# Altium PCB Matrix.PcbDoc (part 1 of 3)
Units mm, origin at the board's own origin, x right, y up, seen from the top; angles counter-clockwise.
Board outline 200.1 x 201 mm, 2 copper layers (Top Layer, Bottom Layer), stack 1.55 mm thick; 304 components, 213 nets, 909 pads, 444 vias.
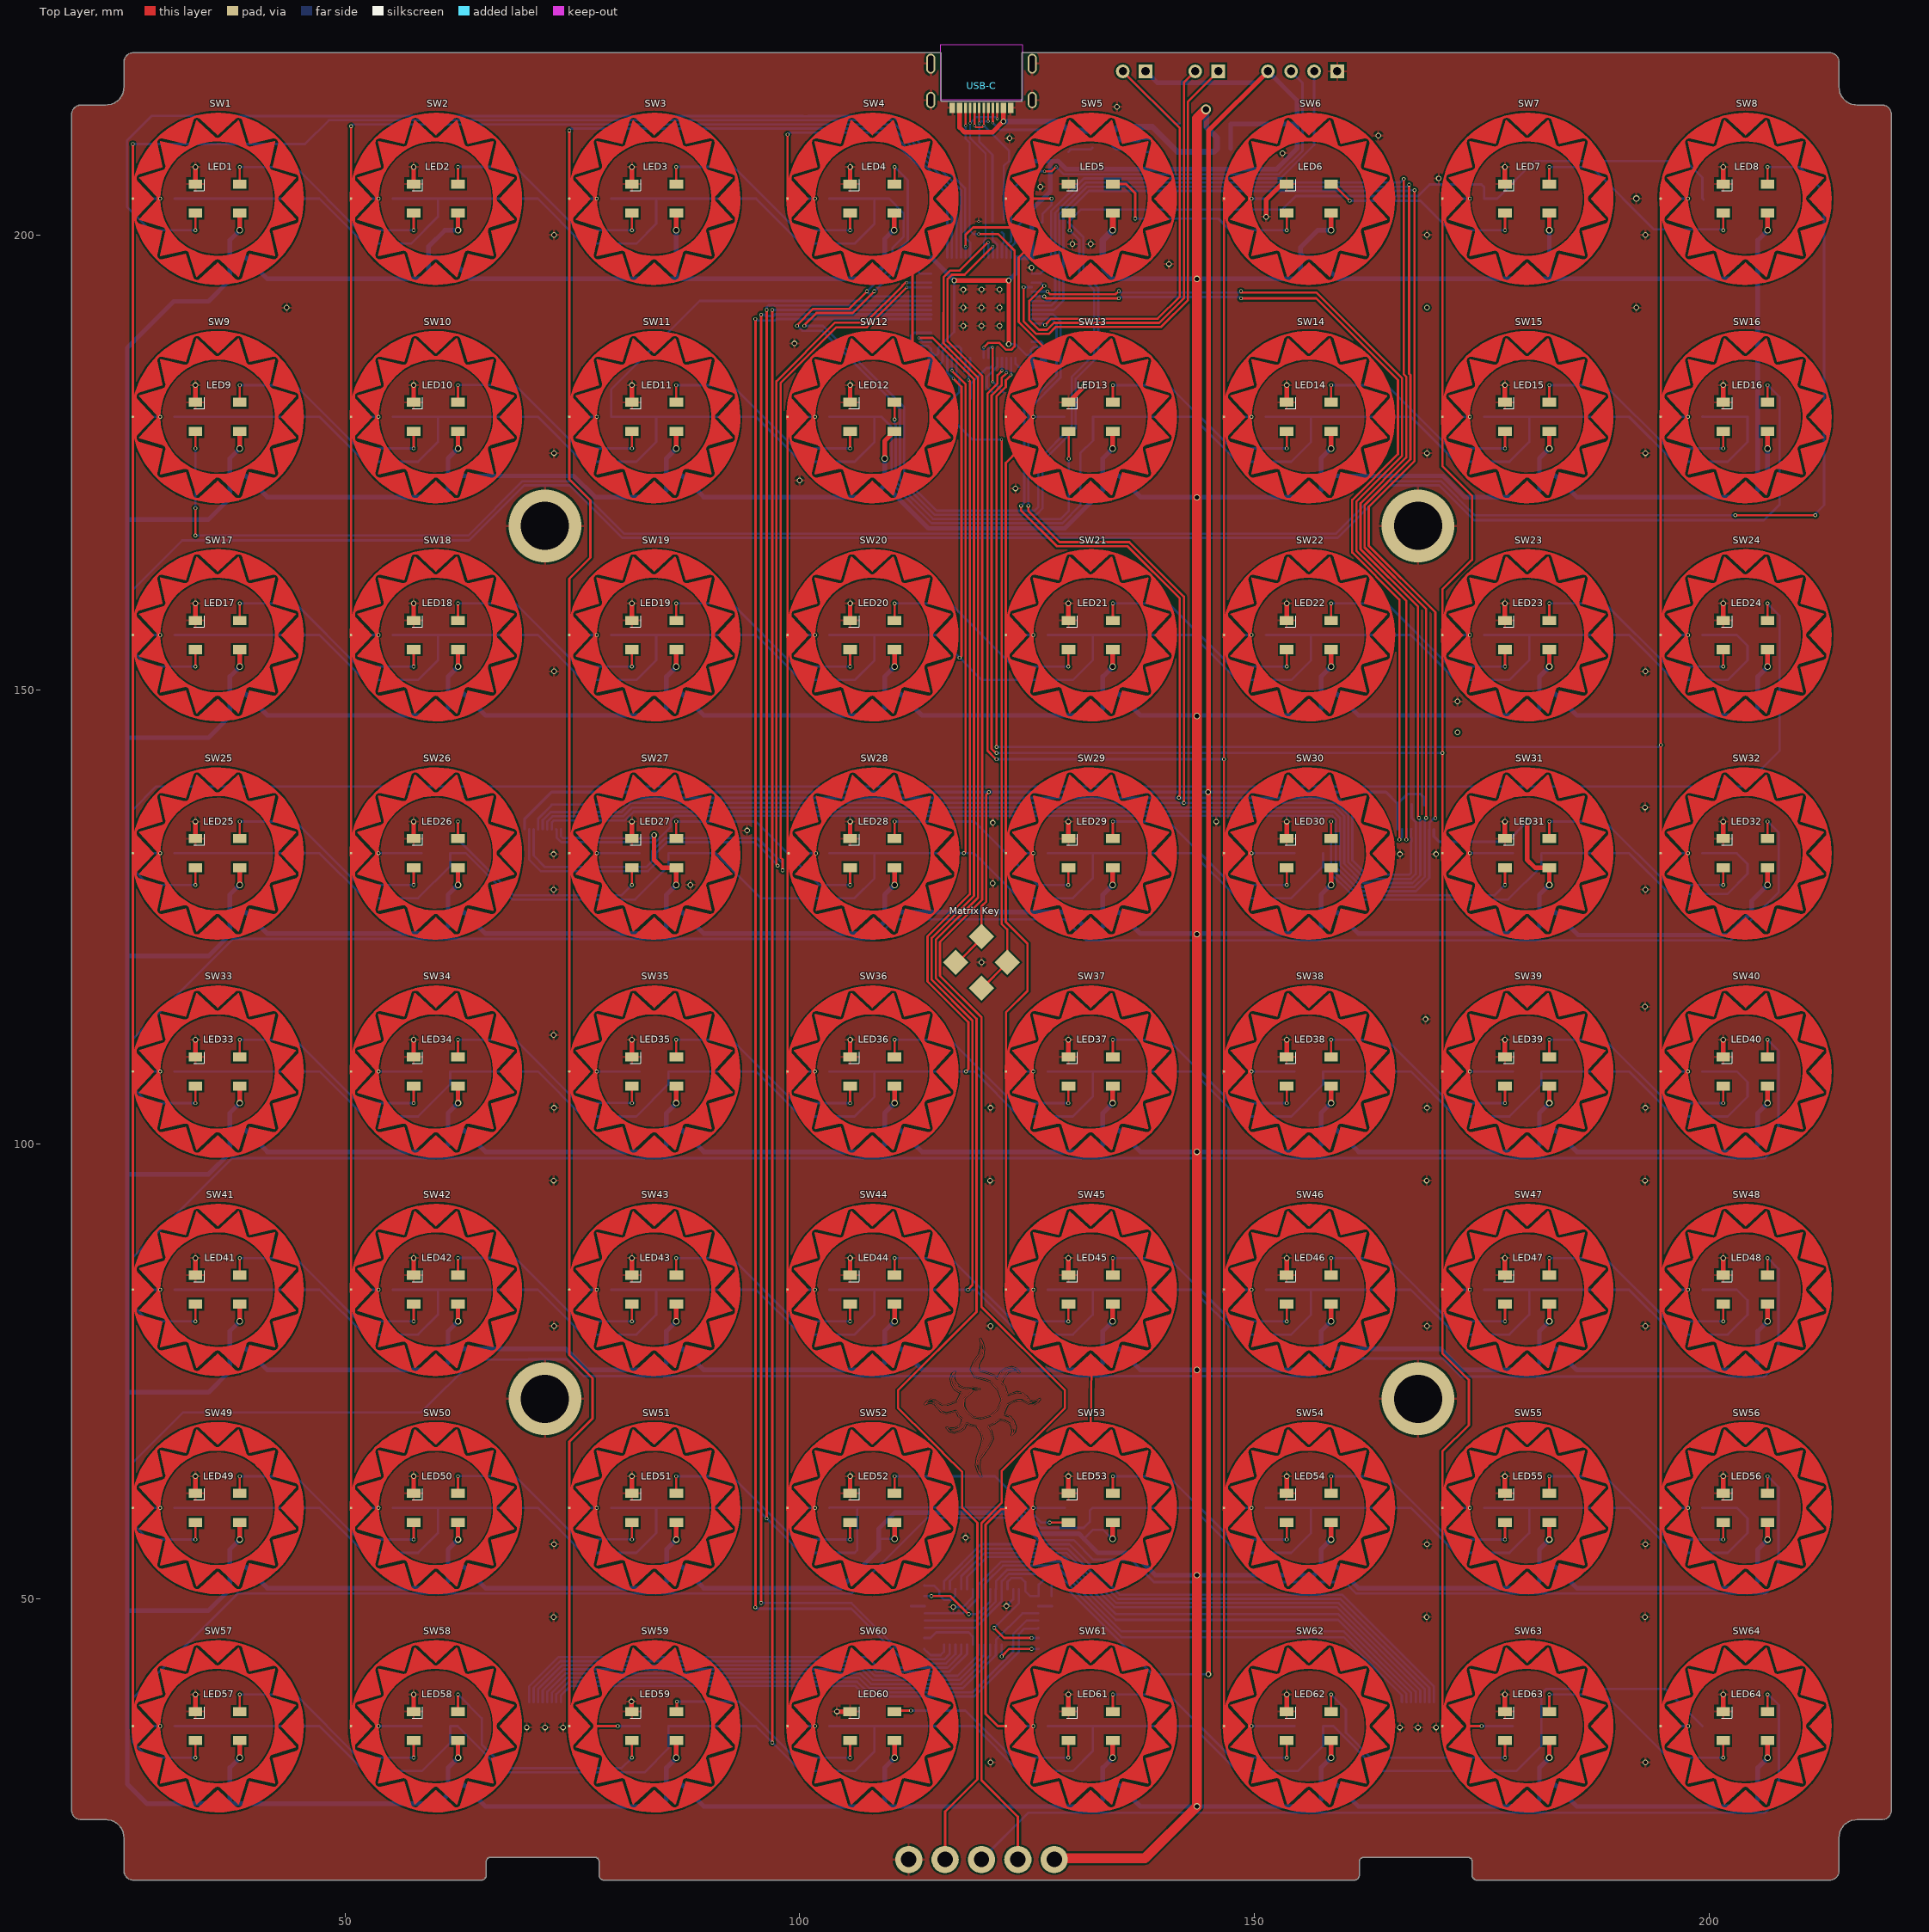
[diagram p0: Top Layer view]
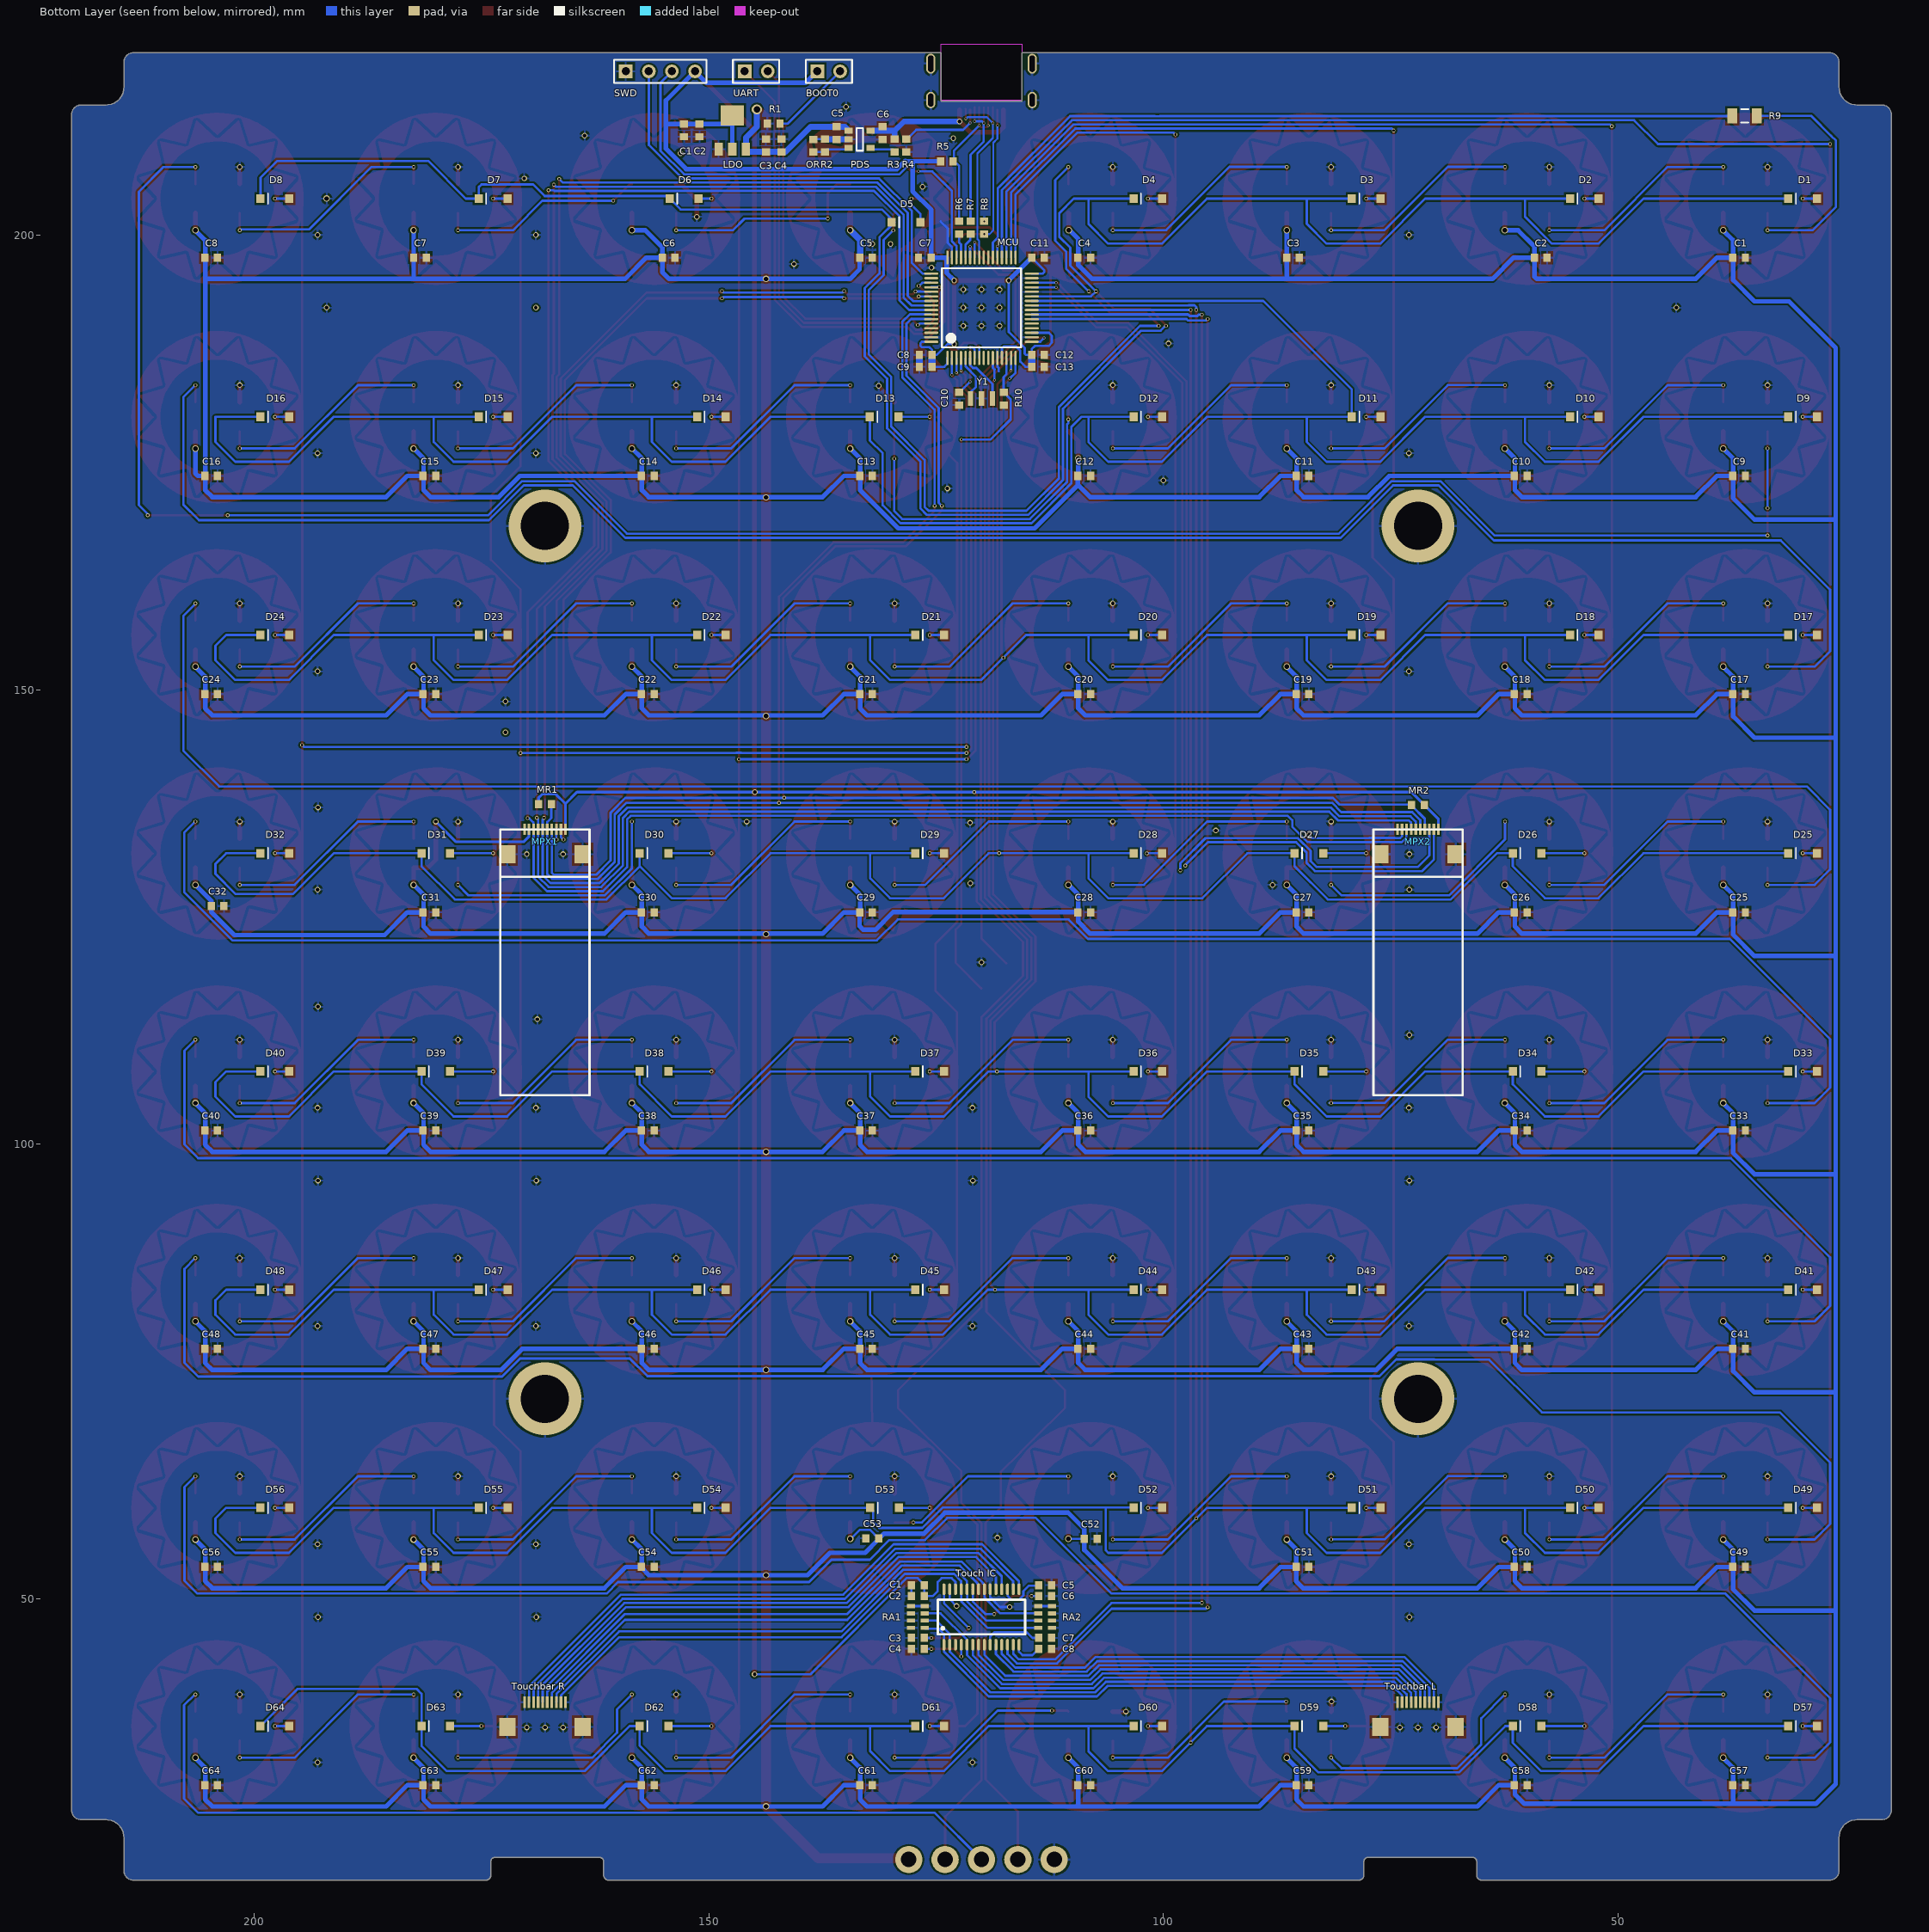
[diagram p1: Bottom Layer view, seen from below]
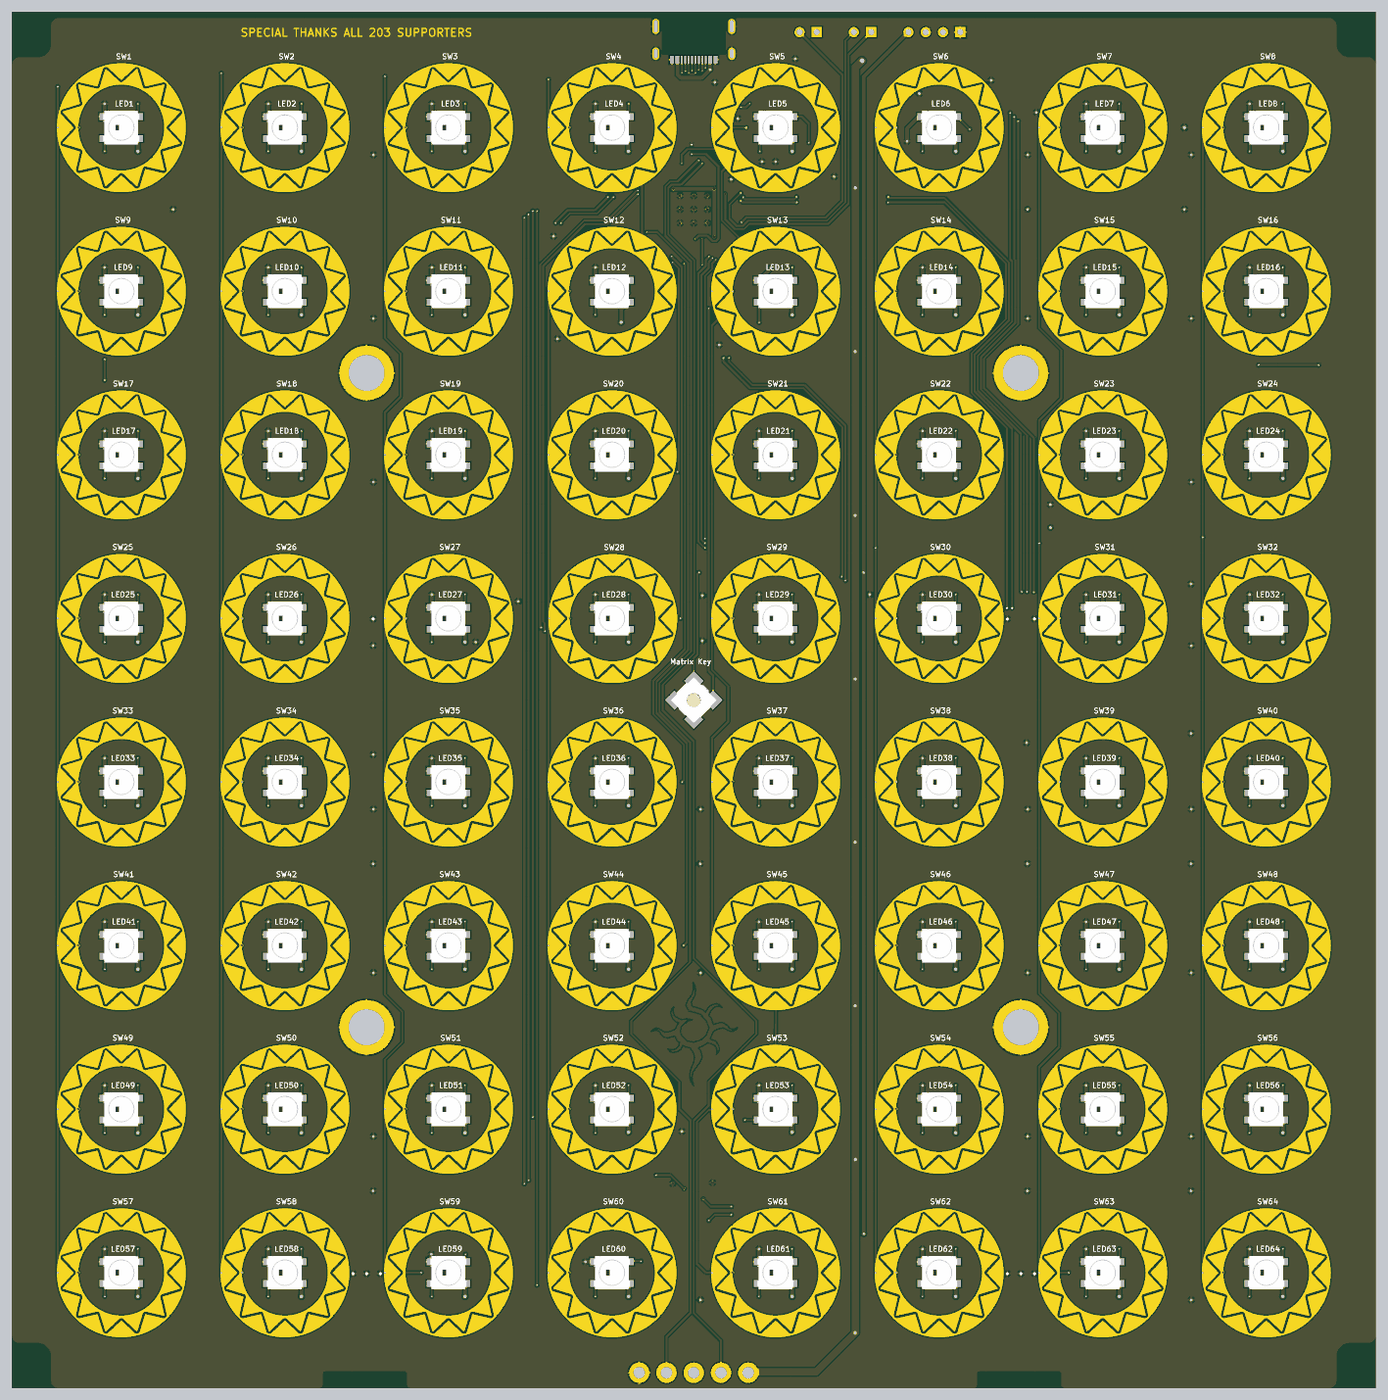
[diagram p4: 3D render of the assembled board from above, using the file's embedded part models]
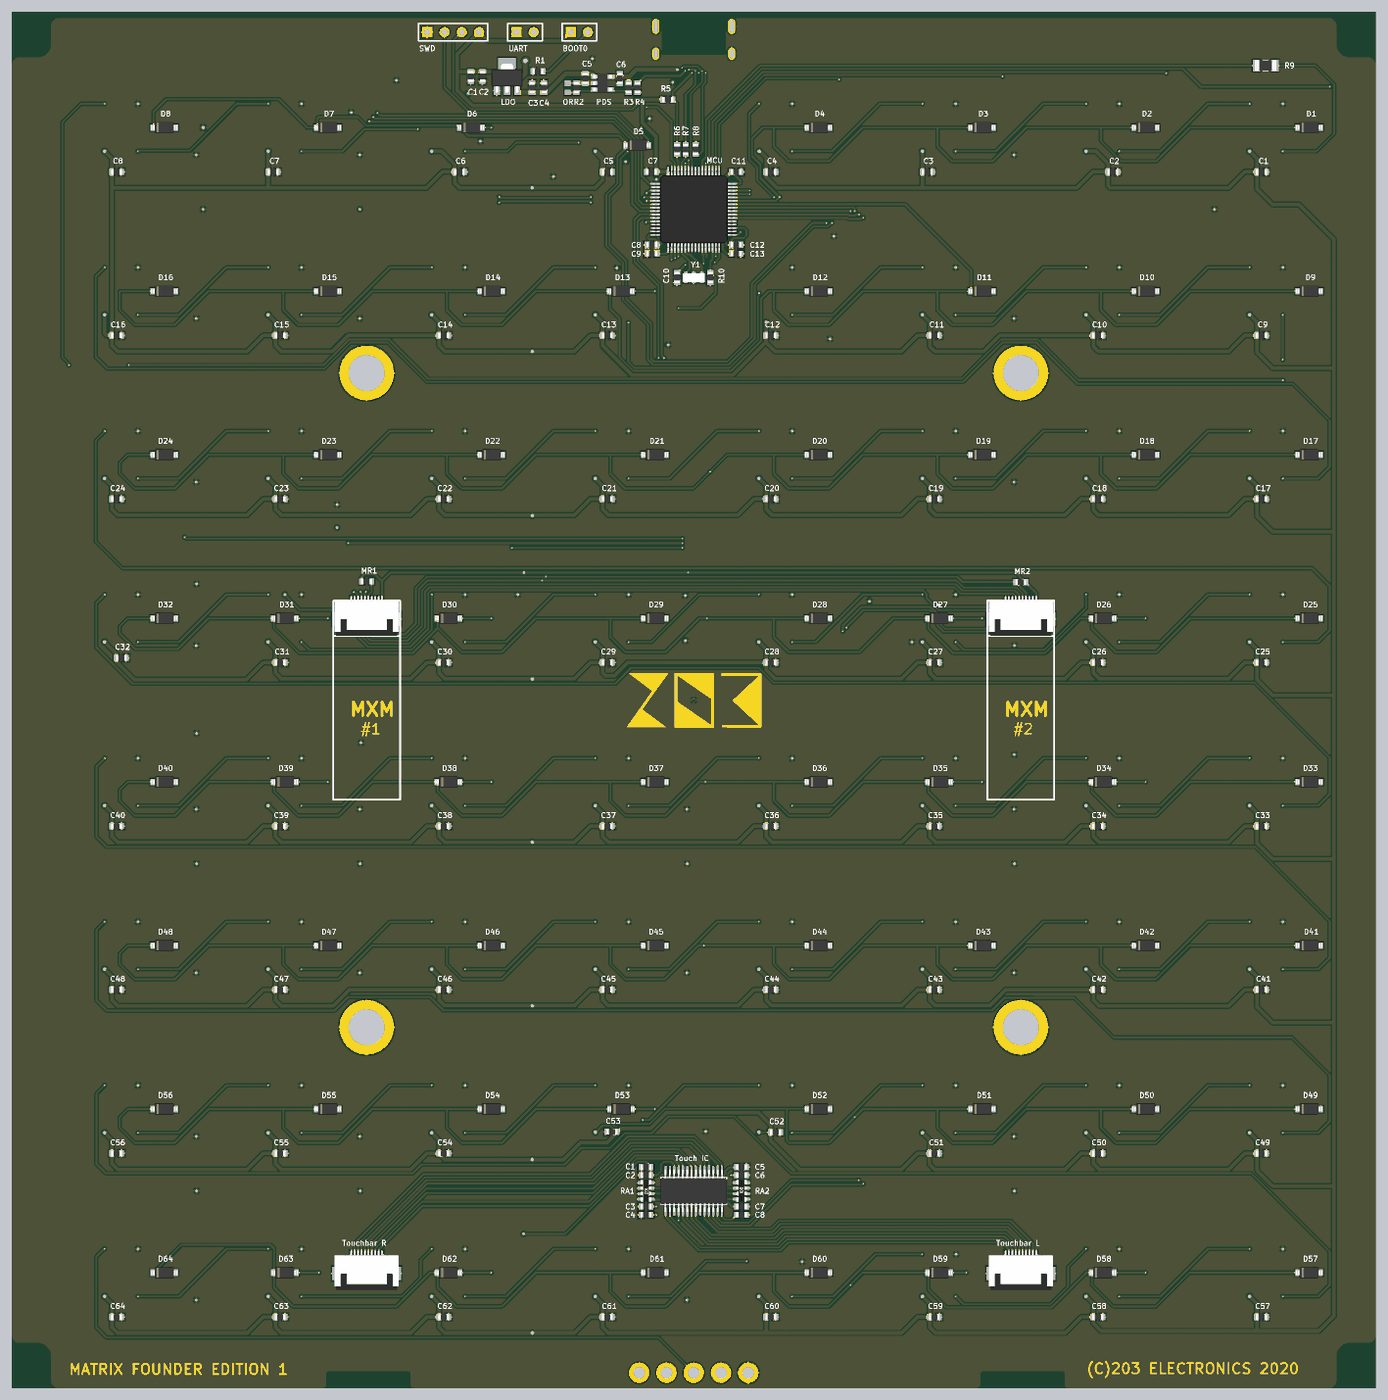
[diagram p5: 3D render of the assembled board from below, using the file's embedded part models]

## Layer stack, top to bottom
Top Solder: solder mask 0.04, Solder Resist, Dk 3.5
Top Layer: signal copper 0.01
Dielectric 1: dielectric 1.5, FR-4, Dk 4.8
Bottom Layer: signal copper 0.04
Bottom Solder: solder mask 0.01, Solder Resist, Dk 3.5

## Board outline
24.316,25.615 24.669,25.469 24.987,25.257 25.257,24.987 25.469,24.669 25.615,24.316 25.69,23.94 25.7,23.749 25.7,20.002 ccw(c25.75,20.002) 25.701,19.992 25.739,19.798 ccw(c25.788,19.808) 25.742,19.789 25.817,19.607 ccw(c25.864,19.626) 25.822,19.598 cw(c25.864,19.626) 25.822,19.598 25.931,19.435 ccw(c25.973,19.463) 25.931,19.434 25.931,19.435 ccw(c25.973,19.463) 25.938,19.427 26.077,19.288 ccw(c26.113,19.323) 26.085,19.281 26.248,19.172 cw(c26.276,19.214) 26.248,19.172 ccw(c26.276,19.214) 26.257,19.167 26.439,19.092 ccw(c26.458,19.138) 26.448,19.089 26.642,19.051 ccw(c26.652,19.1) 26.652,19.05 26.75,19.05 65,19.05 ccw(c65,19.6) 65.55,19.6 65.55,21.1 cw(c66,21.1) 66,21.55 77.5,21.55 cw(c77.5,21.1) 77.95,21.1 77.95,19.6 ccw(c78.5,19.6) 78.5,19.05 ccw(c78.5,19.1) 78.501,19.05 161,19.05 ccw(c161,19.6) 161.55,19.6 161.55,21.1 cw(c162,21.1) 162,21.55 173.5,21.55 cw(c173.5,21.1) 173.95,21.1 173.95,19.6 ccw(c174.5,19.6) 174.5,19.05 213.348,19.05 ccw(c213.348,19.1) 213.358,19.051 213.552,19.089 ccw(c213.542,19.138) 213.561,19.092 213.743,19.167 ccw(c213.724,19.214) 213.752,19.172 213.915,19.281 ccw(c213.887,19.323) 213.916,19.281 213.915,19.281 ccw(c213.887,19.323) 213.923,19.288 214.062,19.427 ccw(c214.027,19.463) 214.069,19.435 214.178,19.598 ccw(c214.136,19.626) 214.178,19.598 ccw(c214.136,19.626) 214.183,19.607 214.258,19.789 ccw(c214.212,19.808) 214.261,19.798 214.299,19.992 ccw(c214.25,20.002) 214.3,20.002 214.3,23.749 214.31,23.94 214.385,24.316 214.531,24.669 214.743,24.987 215.013,25.257 215.331,25.469 215.684,25.615 216.06,25.69 216.251,25.7 219,25.7 219.098,25.7 ccw(c219.098,25.75) 219.108,25.701 219.302,25.739 ccw(c219.292,25.788) 219.311,25.742 219.493,25.817 ccw(c219.474,25.864) 219.502,25.822 219.665,25.931 ccw(c219.637,25.973) 219.666,25.931 219.665,25.931 ccw(c219.637,25.973) 219.673,25.938 219.812,26.077 ccw(c219.777,26.113) 219.819,26.085 219.928,26.248 ccw(c219.886,26.276) 219.928,26.248 ccw(c219.886,26.276) 219.933,26.257 220.008,26.439 ccw(c219.962,26.458) 220.011,26.448 220.049,26.642 ccw(c220,26.652) 220.05,26.652 220.05,213.348 ccw(c220,213.348) 220.049,213.358 220.011,213.552 ccw(c219.962,213.542) 220.008,213.561 219.933,213.743 ccw(c219.886,213.724) 219.928,213.752 cw(c219.886,213.724) 219.928,213.752 219.819,213.915 219.819,213.916 cw(c219.777,213.887) 219.819,213.915 ccw(c219.777,213.887) 219.812,213.923 219.673,214.062 ccw(c219.637,214.027) 219.665,214.069 219.502,214.178 cw(c219.474,214.136) 219.502,214.178 ccw(c219.474,214.136) 219.493,214.183 219.311,214.258 ccw(c219.292,214.212) 219.302,214.261 219.108,214.299 ccw(c219.098,214.25) 219.098,214.3 216.251,214.3 216.06,214.31 215.684,214.385 215.331,214.531 215.013,214.743 214.743,215.013 214.531,215.331 214.385,215.684 214.31,216.06 214.3,216.251 214.3,219.098 ccw(c214.25,219.098) 214.299,219.108 214.261,219.302 ccw(c214.212,219.292) 214.258,219.311 214.183,219.493 ccw(c214.136,219.474) 214.178,219.502 cw(c214.136,219.474) 214.178,219.502 214.069,219.665 ccw(c214.027,219.637) 214.069,219.666 214.069,219.665 ccw(c214.027,219.637) 214.062,219.673 213.923,219.812 ccw(c213.887,219.777) 213.915,219.819 213.916,219.819 213.915,219.819 213.752,219.928 cw(c213.724,219.886) 213.752,219.928 ccw(c213.724,219.886) 213.743,219.933 213.561,220.008 ccw(c213.542,219.962) 213.552,220.011 213.358,220.049 ccw(c213.348,220) 213.348,220.05 124.5,220.05 ccw(c124.5,220) 124.45,220 124.45,214.7 115.55,214.7 115.55,220 ccw(c115.5,220) 115.5,220.05 26.652,220.05 ccw(c26.652,220) 26.642,220.049 26.448,220.011 ccw(c26.458,219.962) 26.439,220.008 26.257,219.933 ccw(c26.276,219.886) 26.248,219.928 cw(c26.276,219.886) 26.248,219.928 26.085,219.819 ccw(c26.113,219.777) 26.084,219.819 26.085,219.819 ccw(c26.113,219.777) 26.077,219.812 25.938,219.673 ccw(c25.973,219.637) 25.931,219.665 25.931,219.666 25.931,219.665 cw(c25.973,219.637) 25.931,219.666 25.931,219.665 25.822,219.502 ccw(c25.864,219.474) 25.822,219.502 ccw(c25.864,219.474) 25.817,219.493 25.742,219.311 ccw(c25.788,219.292) 25.739,219.302 25.701,219.108 ccw(c25.75,219.098) 25.7,219.098 25.7,216.251 25.69,216.06 25.615,215.684 25.469,215.331 25.257,215.013 24.987,214.743 24.669,214.531 24.316,214.385 23.94,214.31 23.749,214.3 20.902,214.3 ccw(c20.902,214.25) 20.892,214.299 20.698,214.261 ccw(c20.708,214.212) 20.689,214.258 20.507,214.183 ccw(c20.526,214.136) 20.498,214.178 cw(c20.526,214.136) 20.498,214.178 20.335,214.069 20.334,214.069 cw(c20.363,214.027) 20.335,214.069 ccw(c20.363,214.027) 20.327,214.062 20.188,213.923 ccw(c20.223,213.887) 20.181,213.915 20.181,213.916 20.181,213.915 cw(c20.223,213.887) 20.181,213.916 20.181,213.915 20.072,213.752 cw(c20.114,213.724) 20.072,213.752 ccw(c20.114,213.724) 20.067,213.743 19.992,213.561 ccw(c20.038,213.542) 19.989,213.552 19.951,213.358 ccw(c20,213.348) 19.95,213.348 19.95,213.25 19.95,26.652 ccw(c20,26.652) 19.951,26.642 19.989,26.448 ccw(c20.038,26.458) 19.992,26.439 20.067,26.257 ccw(c20.114,26.276) 20.072,26.248 20.181,26.085 ccw(c20.223,26.113) 20.181,26.084 20.181,26.085 ccw(c20.223,26.113) 20.188,26.077 20.327,25.938 ccw(c20.363,25.973) 20.335,25.931 20.498,25.822 cw(c20.526,25.864) 20.498,25.822 ccw(c20.526,25.864) 20.507,25.817 20.689,25.742 ccw(c20.708,25.788) 20.698,25.739 20.892,25.701 ccw(c20.902,25.75) 20.902,25.7 23.749,25.7 23.94,25.69

## Design rules (kind name [scope] priority, off if disabled: settings)
Clearance "Clearance  Decoration" [All vs InNet('decoration')] p1: gap=0.2 ignorepadtopadclearanceinfootprint=FALSE except(0: Arc-Hole Track-Hole SMDPad-Hole THPad-Hole Via-Hole Fill-Fill Fill-Poly Fill-Region Fill-Text Fill-Hole Poly-Poly Poly-Region Poly-Text Poly-Hole Region-Region Region-Text Region-Hole Text-Text Text-Hole)
Clearance [All] p2: gap=0.2 ignorepadtopadclearanceinfootprint=FALSE except(0: Arc-Hole Track-Hole SMDPad-Hole THPad-Hole Via-Hole Fill-Text Fill-Hole Poly-Text Poly-Hole Region-Text Region-Hole Text-Text Text-Hole)
ComponentClearance [All] p1 off: gap=0.254 collisioncheckmode=3 verticalgap=0.254 showdistances=FALSE
HoleSize [All] p1 off: absolutevalues=TRUE maxlimit=2.54 minlimit=0.025 maxpercent=80.000 minpercent=20.000
PolygonConnect [All] p1: connectstyle=Relief reliefconductorwidth=0.254 reliefentries=4 polygonreliefangle="90 Angle" airgapwidth=0.254
RoutingVias [All] p1: holewidth=0.711 width=1.27 viastyle="Through Hole" minholewidth=0.711 minwidth=1.27 maxholewidth=0.711 maxwidth=1.27
ShortCircuit ShortCircuit_1 [All] p1: allowed=FALSE
ShortCircuit [InPadClass('All Pads') vs InNet('No Net')] p2: allowed=TRUE
SolderMaskExpansion [All] p1: expansion=0.102
Width [All] p1: maxlimit=2.54 minlimit=0.025 preferedwidth=0.254
27 further rules are at their usual default settings.

## Classes and differential pairs
component class matrixkeypad: D1 D2 D3 D4 D5 D6 D7 D8 D9 D10 D11 D12 D13 D14 D15 D16 D17 D18 D19 D20 D21 D22 D23 D24 D25 D26 D27 D28 D29 D30 D31 D32 D33 D34 D35 D36 D37 D38 D39 D40 D41 D42 D43 D44 D45 D46 D47 D48 D49 D50 D51 D52 D53 D54 D55 D56 D57 D58 D59 D60 D61 D62 D63 D64 SW1 SW2 SW3 SW4 SW5 SW6 SW7 SW8 SW9 SW10 SW11 SW12 SW13 SW14 SW15 SW16 SW17 SW18 SW19 SW20 SW21 SW22 SW23 SW24 SW25 SW26 SW27 SW28 SW29 SW30 SW31 SW32 SW33 SW34 SW35 SW36 SW37 SW38 SW39 SW40 SW41 SW42 SW43 SW44 SW45 SW46 SW47 SW48 SW49 SW50 SW51 SW52 SW53 SW54 SW55 SW56 SW57 SW58 SW59 SW60 SW61 SW62 SW63 SW64
component class led: C1 c2 C3 C4 C5 C6 C6_1 C7 C8 C9 C10 C11 C12 C13 C14 C15 C16 C17 C18 C19 C20 C21 C22 C23 C24 C25 C26 C27 C28 C29 C30 C31 C32 C33 C34 C35 C36 C37 C38 C39 C40 C41 C42 C43 C44 C45 C46 C47 C48 C49 C50 C51 C52 C53 C54 C55 C56 C57 C58 C59 C60 C61 C62 C63 C64 LED1 LED2 LED3 LED4 LED5 LED6 LED7 LED8 LED9 LED10 LED11 LED12 LED13 LED14 LED15 LED16 LED17 LED18 LED19 LED20 LED21 LED22 LED23 LED24 LED25 LED26 LED27 LED28 LED29 LED30 LED31 LED32 LED33 LED34 LED35 LED36 LED37 LED38 LED39 LED40 LED41 LED42 LED43 LED44 LED45 LED46 LED47 LED48 LED49 LED50 LED51 LED52 LED53 LED54 LED55 LED56 LED57 LED58 LED59 LED60 LED61 LED62 LED63 LED64
component class MCU: C1 c2 C2 C3 C4 C5 C6 C7 C8 C9 C10 C11 C12 C13 "FN Switch" LDO "Matrix Key" MCU MPX1 MPX2 MR1 MR2 PDS R1 R2 R3 R4 R5 R6 R7 R8 R9 R10 RA1 RA2 RET6 SWD "Touch IC" "Touchbar L" "Touchbar R" UART USB-C Y1
